# Altium PCB Dashcam BB V2.0 A.PcbDoc (part 2 of 2)
Units mm, origin at the board's own origin, x right, y up, seen from the top; angles counter-clockwise.
Board outline 37 x 25 mm, 4 copper layers (Top Layer, Internal L1, Internal L2, Bottom Layer), stack 1.542 mm thick; 284 components, 192 nets, 1111 pads, 0 vias.
Unrouted connection lines stored in the file: 658.
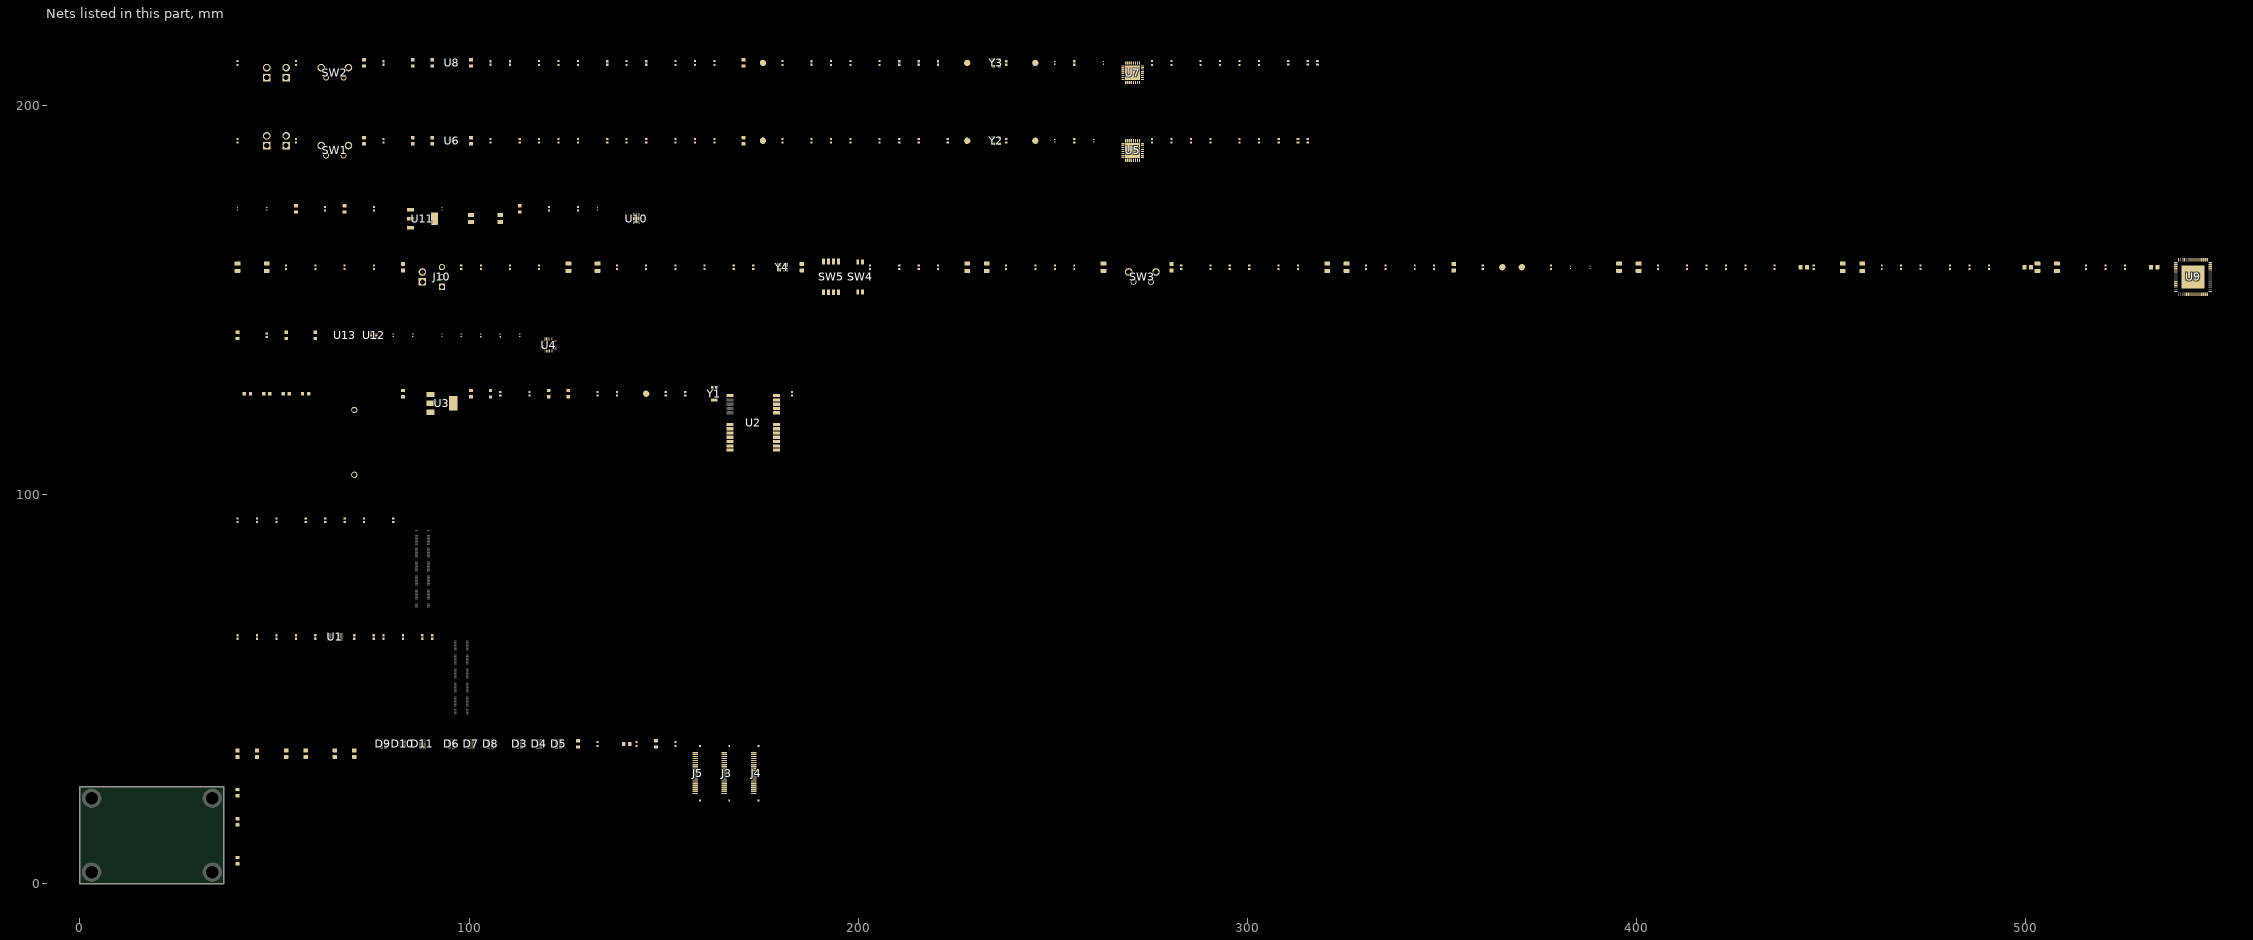
[diagram p2: the nets of this part, all layers, seen from the top]

## Part data
BH1: library part MECH_BATTERY_HOLDER_BH600, "Battery Holder 1 Cells Thermoplastic Tray", Manufacturer="Memory Protection Devices", Max Operating Temperature=180°C, Min Operating Temperature=-55°C, Supplier Part Number 1=BH600-ND, Category="Batteries and Accessories", ComponentLink1Description=https://datasheet.ciiva.com/3/bh600-datasheet-3856.pdf?src-supplier=Digikey, ComponentLink1URL=https://datasheet.ciiva.com/3/bh600-datasheet-3856.pdf?src-supplier=Digikey, Diameter=16mm, Height=3.2mm, Lead Free="Lead Free", Manufacturer Part Number=BH600, Mount="Through Hole,PCB", Number of Cells=1, Pricing 1="1=1.7, 10=1.408, 50=1.236, 100=1.1686, 300=1.06927, 500=1.02602, 1000=0.97012, 2500=0.90087, 5000=0.85178 (USD)", RoHS=Yes, RoHS Compliant=Yes, series=-, Stock 1=122929, Supplier 1=Digikey, Termination="PC Pin"
C1 C9 C11 C13: library part CAP_100NF_25V_X7R_0402, "Multilayer Ceramic Capacitor, 0.1 uF, 25 V, ± 10%, X7R, 0402 [1005 Metric]", Capacitance=100nF, Case Code (Imperial)=0402, Case Code (Metric)=1005, Dielectric=X5R, Manufacturer=Yageo, Max Operating Temperature=85°C, Min Operating Temperature=-55°C, Supplier Part Number 1=311-1697-6-ND, Temperature Coefficient=30ppm/°C, Tolerance=10%, Voltage Rating=25V, Case/Package=0402, Category="Ceramic Capacitors", ComponentLink1Description=http://www.mouser.com/ds/2/447/UPY-GPHC_X5R_4V-to-50V_25-1131599.pdf?src-supplier=Mouser, ComponentLink1URL=http://www.mouser.com/ds/2/447/UPY-GPHC_X5R_4V-to-50V_25-1131599.pdf?src-supplier=Mouser, ComponentLink2Description=https://datasheet.octopart.com/CC0402KRX5R8BB104-Yageo-datasheet-137700082.pdf?src-supplier=Future+Electronics, ComponentLink2URL=https://datasheet.octopart.com/CC0402KRX5R8BB104-Yageo-datasheet-137700082.pdf?src-supplier=Future+Electronics, ComponentLink3Description=http://www.yageo.com/documents/recent/UPY-GPHC_X5R_4V-to-50V_25.pdf?src-supplier=Digikey, ComponentLink3URL=http://www.yageo.com/documents/recent/UPY-GPHC_X5R_4V-to-50V_25.pdf?src-supplier=Digikey, ComponentLink4Description=https://datasheet.octopart.com/CC0402KRX5R8BB104-Yageo-datasheet-140260304.pdf?src-supplier=Newark, ComponentLink4URL=https://datasheet.octopart.com/CC0402KRX5R8BB104-Yageo-datasheet-140260304.pdf?src-supplier=Newark, ComponentLink5Description=https://datasheet.octopart.com/CC0402KRX5R8BB104-Yageo-datasheet-170350636.pdf?src-supplier=Future+Electronics, ComponentLink5URL=https://datasheet.octopart.com/CC0402KRX5R8BB104-Yageo-datasheet-170350636.pdf?src-supplier=Future+Electronics, ComponentLink6Description=http://www.yageo.com/documents/recent/UPY-GPHC_X5R_4V-to-50V-16.pdf?src-supplier=Future+Electronics, ComponentLink6URL=http://www.yageo.com/documents/recent/UPY-GPHC_X5R_4V-to-50V-16.pdf?src-supplier=Future+Electronics, Halogen Free=5694HalogenFree, Lead Free=5697LeadFree, Manufacturer Part Number=CC0402KRX5R8BB104, Material=4241ConductorMaterial, Mount="Surface Mount", Packaging="Tape and Reel", Pricing 1="1=0.1, 10=0.037, 50=0.021, 100=0.0162, 500=0.01224, 1000=0.00961, 2500=0.00874, 5000=0.00804 (USD)", RoHS=Yes, RoHS Compliant=Yes, series=CC, Stock 1=3706055, Supplier 1=Digikey, Voltage Rating (DC)=25V
C2 C3 C36 C61 C132: library part CAP_10UF_16V_X5R_0603, "0603 10 uF 16 V ±20% Tolerance X5R Multilayer Ceramic Chip Capacitor", Capacitance=10uF, Case Code (Imperial)=0603, Case Code (Metric)=1608, Manufacturer=Murata, Max Operating Temperature=85°C, Min Operating Temperature=-55°C, Supplier Part Number 1=490-10729-1-ND, Tolerance=20%, Voltage Rating=16V, Case/Package=0603, Category="Ceramic Capacitors", ComponentLink1Description=http://search.murata.co.jp/Ceramy/image/img/A01X/G101/ENG/GRM188R61C106MAAL-01.pdf?src-supplier=Digi-Key, ComponentLink1URL=http://search.murata.co.jp/Ceramy/image/img/A01X/G101/ENG/GRM188R61C106MAAL-01.pdf?src-supplier=Digi-Key, ComponentLink2Description=https://search.murata.co.jp/Ceramy/image/img/A01X/G101/ENG/GRM188R61C106MAAL-01.pdf?src-supplier=Digi-Key, ComponentLink2URL=https://search.murata.co.jp/Ceramy/image/img/A01X/G101/ENG/GRM188R61C106MAAL-01.pdf?src-supplier=Digi-Key, ComponentLink3Description=http://search.murata.co.jp/Ceramy/image/img/A01X/partnumbering_e_01.pdf?src-supplier=Digi-Key, ComponentLink3URL=http://search.murata.co.jp/Ceramy/image/img/A01X/partnumbering_e_01.pdf?src-supplier=Digi-Key, Height=0.8mm, Lead Free="Lead Free", Length=0.063inch, Manufacturer Part Number=GRM188R61C106MAALD, Material=Ceramic, Mount="Surface Mount", Packaging="Cut Tape", Pricing 1="1=0.24000, 10=0.16500, 50=0.11000, 100=0.09340, 500=0.06596, 1000=0.05771 (USD)", RoHS=Yes, RoHS Compliant=Yes, Stock 1=566627, Supplier 1=Digi-Key, Supplier 2=Verical, Supplier 3=Mouser, Supplier Part Number 2=GRM188R61C106MAALD, Supplier Part Number 3=81-GRM188R61C106MALD, Thickness=0.037inch, Voltage Rating (DC)=16V, Width=0.031inch
C4 C34 C35 C59 C60 C130 C131: library part CAP_1UF_16V_X5R_0603, "CAP CER 1UF 16V X5R 0603", Capacitance=1uF, Case Code (Imperial)=0603, Case Code (Metric)=1608, Dielectric=X5R, Manufacturer=Samsung, Max Operating Temperature=85°C, Min Operating Temperature=-55°C, Package Quantity=1, Supplier Part Number 1=1276-1034-1-ND, Tolerance=10%, Voltage=16V, Case/Package=0603, Category="Ceramic Capacitors", ComponentLink1Description=https://datasheet.ciiva.com/16199/cl10a105ko8nnnc-16199033.pdf?src-supplier=Future+Electronics, ComponentLink1URL=https://datasheet.ciiva.com/16199/cl10a105ko8nnnc-16199033.pdf?src-supplier=Future+Electronics, ComponentLink2Description=https://datasheet.ciiva.com/15195/getdatasheetpartid-359688-15195706.pdf?src-supplier=Verical, ComponentLink2URL=https://datasheet.ciiva.com/15195/getdatasheetpartid-359688-15195706.pdf?src-supplier=Verical, ComponentLink3Description=https://datasheet.ciiva.com/29198/458190-da-01-en-vs-kondensator-0603-29198480.pdf?src-supplier=Conrad, ComponentLink3URL=https://datasheet.ciiva.com/29198/458190-da-01-en-vs-kondensator-0603-29198480.pdf?src-supplier=Conrad, Construction=Flat, Contact Plating=Tin, Depth=0.8mm, Height=0.8mm, Lead Free="Lead Free", Length=1.6mm, Manufacturer Part Number=CL10A105KO8NNNC, Material=Ceramic, Mount="Surface Mount", Packaging="Tape and Reel", Pricing 1="1=0.10000, 10=0.03300, 50=0.01800, 100=0.01470, 500=0.01050, 1000=0.00825 (USD)", Radiation Hardening=No, RoHS=Yes, RoHS Compliant=Yes, series=CL, Stock 1=252255, Supplier 1=Digi-Key, Supplier 2=Mouser, Supplier 3=Newark, Supplier Part Number 2=187-CL10A105KO8NNNC, Supplier Part Number 3=82AC9279, Thickness=0.035inch, Voltage Rating=16V, Voltage Rating (DC)=16V, Width=0.031inch
C5 C6 C7: library part CAP_100NF_4V_X5R_0201, "SMD Comm X5R 0201 (0603Metric) ceramic capacitor 0.024Lx0.012W 0.60mmx0.30mm X5R ±10% 0.1muF", Capacitance=100nF, Case Code (Imperial)=0201, Case Code (Metric)=0603, Manufacturer=KEMET, Max Operating Temperature=85°C, Min Operating Temperature=-55°C, Supplier Part Number 1=399-14860-6-ND, Tolerance=10%, Voltage Rating=4V, Case/Package=0201, Category="Ceramic Capacitors", ComponentLink1Description=https://api.kemet.com/component-edge/download/datasheet/C0201C104K7PAC7867.pdf?src-supplier=Digikey, ComponentLink1URL=https://api.kemet.com/component-edge/download/datasheet/C0201C104K7PAC7867.pdf?src-supplier=Digikey, Manufacturer Part Number=C0201C104K7PAC7867, Mount="Surface Mount", Packaging="Cut Tape", Pricing 1="1=0.16, 10=0.111, 50=0.0662, 100=0.0521, 500=0.0385, 1000=0.03188, 2500=0.02967, 5000=0.02714 (USD)", RoHS=No, series=C, Stock 1=29615, Supplier 1=Digikey
C8 C10 C12: library part CAP_22UF_10V_X5R_0603, "Multilayer Ceramic Capacitor, 22 uF, 10 V, ± 20%, X5R, 0603 [1608 Metric]", Capacitance=22uF, Case Code (Imperial)=0603, Case Code (Metric)=1608, Dielectric=X5R, Dielectric Material=Ceramic, Manufacturer=TDK, Max Operating Temperature=85°C, Min Operating Temperature=-55°C, Package Quantity=4000, Supplier Part Number 1=445-9077-1-ND, Tolerance=20%, Voltage Rating=10V, Case/Package=0603, Category="Ceramic Capacitors", ComponentLink1Description=https://datasheet.ciiva.com/6274/tdkmlcccaprange-6274860.pdf?src-supplier=Digi-Key, ComponentLink1URL=https://datasheet.ciiva.com/6274/tdkmlcccaprange-6274860.pdf?src-supplier=Digi-Key, ComponentLink2Description=https://datasheet.ciiva.com/6274/tdkmlcccaprange-6274859.pdf?src-supplier=Digi-Key, ComponentLink2URL=https://datasheet.ciiva.com/6274/tdkmlcccaprange-6274859.pdf?src-supplier=Digi-Key, ComponentLink3Description=https://datasheet.ciiva.com/6274/tdkmlcccaprange-6274861.pdf?src-supplier=Digi-Key, ComponentLink3URL=https://datasheet.ciiva.com/6274/tdkmlcccaprange-6274861.pdf?src-supplier=Digi-Key, ComponentLink4Description=https://datasheet.ciiva.com/24216/mlcc-commercial-general-en-24216575.pdf?src-supplier=Mouser, ComponentLink4URL=https://datasheet.ciiva.com/24216/mlcc-commercial-general-en-24216575.pdf?src-supplier=Mouser, Height=0.8mm, Lead Free="Lead Free", Length=1.6mm, Manufacturer Part Number=C1608X5R1A226M080AC, Mount="Surface Mount", Packaging="Tape and Reel", Pricing 1="1=0.32, 10=0.208, 50=0.1534, 100=0.1248, 500=0.09856, 1000=0.08323 (USD)", Reach SVHC Compliant=No, RoHS=Yes, RoHS Compliant=Yes, series=C, Stock 1=1971709, Supplier 1=Digi-Key, Termination=SMD/SMT, Voltage Rating (DC)=10V, Weight=7.1E-05oz, Width=0.8mm
C14 C16 C18 C24 C28 C33 C39 C41 C43 C49 C53 C58 C68 C73 C74 C75 C76 C82 C83 C84 C85 C91 C92 C98 C99 C101 C107 C108 C114: library part CAP_10nF_50V_X7R_0402, "Multilayer Ceramic Capacitors MLCC Surface Mount 0402 0.01uF 50 Volts X7R 10%", Capacitance=10nF, Case Code (Imperial)=0402, Case Code (Metric)=1005, Dielectric=X7R, Manufacturer=Murata, Max Operating Temperature=125°C, Min Operating Temperature=-55°C, Package Quantity=1, Supplier Part Number 1=490-4516-6-ND, Tolerance=10%, Voltage=25V, Voltage Rating=50V, Case/Package=0402, Category="Ceramic Capacitors", ComponentLink1Description=https://datasheet.ciiva.com/22698/1747449-22698420.pdf?src-supplier=Element14, ComponentLink1URL=https://datasheet.ciiva.com/22698/1747449-22698420.pdf?src-supplier=Element14, ComponentLink2Description=https://datasheet.ciiva.com/19476/1856433-19476546.pdf?src-supplier=Jameco, ComponentLink2URL=https://datasheet.ciiva.com/19476/1856433-19476546.pdf?src-supplier=Jameco, ComponentLink3Description=https://datasheet.ciiva.com/129/product-129810.pdf?src-supplier=Digikey, ComponentLink3URL=https://datasheet.ciiva.com/129/product-129810.pdf?src-supplier=Digikey, ComponentLink4Description=https://datasheet.ciiva.com/11786/0900766b80ef921d-11786340.pdf?src-supplier=Rs, ComponentLink4URL=https://datasheet.ciiva.com/11786/0900766b80ef921d-11786340.pdf?src-supplier=Rs, ComponentLink5Description=https://datasheet.ciiva.com/18100/getdatasheetpartid-27434-18100660.pdf?src-supplier=Verical, ComponentLink5URL=https://datasheet.ciiva.com/18100/getdatasheetpartid-27434-18100660.pdf?src-supplier=Verical, ComponentLink6Description=https://datasheet.ciiva.com/29199/454225-da-01-en-vs-kondensator-0402-29199740.pdf?src-supplier=Conrad, ComponentLink6URL=https://datasheet.ciiva.com/29199/454225-da-01-en-vs-kondensator-0402-29199740.pdf?src-supplier=Conrad, ComponentLink7Description=https://datasheet.ciiva.com/129/grm155r71h103ka88-01-129811.pdf?src-supplier=Digikey, ComponentLink7URL=https://datasheet.ciiva.com/129/grm155r71h103ka88-01-129811.pdf?src-supplier=Digikey, ComponentLink8Description=https://datasheet.ciiva.com/129/grm155r71h103ka88-01-129812.pdf?src-supplier=Digikey, ComponentLink8URL=https://datasheet.ciiva.com/129/grm155r71h103ka88-01-129812.pdf?src-supplier=Digikey, ComponentLink9Description=https://datasheet.ciiva.com/5410/product-5410990.pdf?src-supplier=Mouser, ComponentLink9URL=https://datasheet.ciiva.com/5410/product-5410990.pdf?src-supplier=Mouser, ComponentLink10Description=https://datasheet.ciiva.com/16495/product-16495290.pdf?src-supplier=Future+Electronics, ComponentLink10URL=https://datasheet.ciiva.com/16495/product-16495290.pdf?src-supplier=Future+Electronics, Construction=Flat, Depth=0.5mm, Height=0.5mm, Lead Free=5697LeadFree, Length=1mm, Manufacturer Part Number=GRM155R71H103KA88D, Material=Ceramic, Mount="Surface Mount", Number of Pins=2, Packaging="Tape and Reel", Pricing 1="1=0.1, 10=0.023, 50=0.013, 100=0.0101, 500=0.0076, 1000=0.00598, 2500=0.00543, 5000=0.005 (USD)", Radiation Hardening=No, Reach SVHC Compliant=No, RoHS=Yes, RoHS Compliant=Yes, series=GRM, Stock 1=5190059, Supplier 1=Digikey, Termination=SMD/SMT, Thickness=0.022inch, Voltage Rating (DC)=50V, Width=0.02inch
C15 C17 C19 C38 C40 C42 C44 C63: library part CAP_1uF_6.3V_X7R_0402, "Multilayer Ceramic Capacitor, 1 uF, 6.3 V, ï¿½ 10%, X7R, 0402 [1005 Metric]", Capacitance=1uF, Case Code (Imperial)=0402, Case Code (Metric)=1005, Dielectric=X7R, Manufacturer=Samsung, Max Operating Temperature=125°C, Min Operating Temperature=-55°C, Package Quantity=1, Supplier Part Number 1=1276-1513-1-ND, Tolerance=10%, Voltage Rating=6.3V, Case/Package=0402, Category="Ceramic Capacitors", ComponentLink1Description=https://datasheet.ciiva.com/25797/cl05b105kq5nqnc-25797457.pdf?src-supplier=Digikey, ComponentLink1URL=https://datasheet.ciiva.com/25797/cl05b105kq5nqnc-25797457.pdf?src-supplier=Digikey, Depth=0.5mm, Lead Free="Lead Free", Length=0.039inch, Manufacturer Part Number=CL05B105KQ5NQNC, Material=Ceramic, Mount="Surface Mount", Packaging="Tape and Reel", Pricing 1="1=0.15, 10=0.099, 50=0.0594, 100=0.0467, 500=0.0345, 1000=0.02856, 2500=0.02658, 5000=0.02432 (USD)", RoHS=Yes, RoHS Compliant=Yes, series=CL, Stock 1=242595, Supplier 1=Digikey, Thickness=0.022inch, Width=0.02inch
C20 C45 C77 C86 C115 C122: library part CAP_0.033uF_6.3V_X5R_0201, "Multilayer Ceramic Capacitor, 0.033 uF, 6.3 V, ± 10%, X5R, 0201 [0603 Metric]", Capacitance=33nF, Case Code (Imperial)=0201, Case Code (Metric)=0603, Dielectric=X5R, Manufacturer=Murata, Max Operating Temperature=85°C, Min Operating Temperature=-55°C, Package Quantity=1, Supplier Part Number 1=81-GRM033R60J333KE01, Tolerance=10%, Voltage=6.3V, Case/Package=0201, Category="Ceramic Capacitors", ComponentLink1Description=https://datasheet.ciiva.com/131/product-131104.pdf?src-supplier=Digikey, ComponentLink1URL=https://datasheet.ciiva.com/131/product-131104.pdf?src-supplier=Digikey, ComponentLink2Description=https://datasheet.ciiva.com/18184/getdatasheetpartid-220776-18184045.pdf?src-supplier=Verical, ComponentLink2URL=https://datasheet.ciiva.com/18184/getdatasheetpartid-220776-18184045.pdf?src-supplier=Verical, ComponentLink3Description=https://datasheet.ciiva.com/29199/455665-da-01-en-vs-kondensator-0201-29199269.pdf?src-supplier=Conrad, ComponentLink3URL=https://datasheet.ciiva.com/29199/455665-da-01-en-vs-kondensator-0201-29199269.pdf?src-supplier=Conrad, ComponentLink4Description=https://datasheet.ciiva.com/11605/product-11605453.pdf?src-supplier=Avnet, ComponentLink4URL=https://datasheet.ciiva.com/11605/product-11605453.pdf?src-supplier=Avnet, ComponentLink5Description=https://datasheet.ciiva.com/16199/product-16199350.pdf?src-supplier=Future+Electronics, ComponentLink5URL=https://datasheet.ciiva.com/16199/product-16199350.pdf?src-supplier=Future+Electronics, Construction=Flat, Depth=0.3mm, Dissipation Factor=0.1%, Height=0.3mm, Lead Free="Lead Free", Length=0.6mm, Manufacturer Part Number=GRM033R60J333KE01D, Material=Ceramic, Mount="Surface Mount", Packaging="Tape and Reel", Pricing 1="1=0.1, 10=0.017, 50=0.017, 100=0.011, 1000=0.01, 10000=0.008 (USD)", Radiation Hardening=No, Reach SVHC Compliant=No, RoHS=Yes, RoHS Compliant=Yes, series=GRM, Stock 1=164761, Supplier 1=Mouser, Termination=SMD/SMT, Thickness=0.013inch, Voltage Rating=6.3V, Voltage Rating (DC)=6.3V, Width=0.012inch
C21 C46 C121 C127: library part CAP_0.015uF_6.3V_X5R_0201, "0201 15 nF 6.3 V ±10% Tolerance X5R SMT Multilayer Ceramic Capacitor", Capacitance=15nF, Case Code (Imperial)=0201, Case Code (Metric)=0603, Dielectric=X5R, Manufacturer=Murata, Max Operating Temperature=85°C, Min Operating Temperature=-55°C, Package Quantity=1, Supplier Part Number 1=81-GRM033R60J153KE1D, Tolerance=10%, Voltage Rating=6.3V, Case/Package=0201, Category="Ceramic Capacitors", ComponentLink1Description=https://datasheet.ciiva.com/130/product-130817.pdf?src-supplier=Digikey, ComponentLink1URL=https://datasheet.ciiva.com/130/product-130817.pdf?src-supplier=Digikey, ComponentLink2Description=https://datasheet.ciiva.com/18184/getdatasheetpartid-306886-18184038.pdf?src-supplier=Verical, ComponentLink2URL=https://datasheet.ciiva.com/18184/getdatasheetpartid-306886-18184038.pdf?src-supplier=Verical, ComponentLink3Description=https://datasheet.ciiva.com/29199/455637-da-01-en-vs-kondensator-0201-29199258.pdf?src-supplier=Conrad, ComponentLink3URL=https://datasheet.ciiva.com/29199/455637-da-01-en-vs-kondensator-0201-29199258.pdf?src-supplier=Conrad, ComponentLink4Description=https://datasheet.ciiva.com/130/grm033r60j153ke01-01-130818.pdf?src-supplier=Digikey, ComponentLink4URL=https://datasheet.ciiva.com/130/grm033r60j153ke01-01-130818.pdf?src-supplier=Digikey, ComponentLink5Description=https://datasheet.ciiva.com/130/grm033r60j153ke01-01-130819.pdf?src-supplier=Digikey, ComponentLink5URL=https://datasheet.ciiva.com/130/grm033r60j153ke01-01-130819.pdf?src-supplier=Digikey, ComponentLink6Description=https://datasheet.ciiva.com/11619/product-11619495.pdf?src-supplier=Avnet, ComponentLink6URL=https://datasheet.ciiva.com/11619/product-11619495.pdf?src-supplier=Avnet, Construction=Flat, Depth=0.3mm, Height=0.3mm, Lead Free="Lead Free", Length=0.6mm, Manufacturer Part Number=GRM033R60J153KE01D, Material=Ceramic, Mount="Surface Mount", Packaging="Tape and Reel", Pricing 1="1=0.1, 10=0.014, 50=0.014, 100=0.007, 1000=0.005, 10000=0.005 (USD)", Radiation Hardening=No, RoHS=Yes, RoHS Compliant=Yes, series=GRM, Stock 1=84989, Supplier 1=Mouser, Termination=SMD/SMT, Thickness=0.013inch, Voltage Rating (DC)=6.3V, Width=0.012inch
C22 C26 C31 C47 C51 C56: library part CAP_10UF_6.3V_X5R_0402, "Cap Ceramic 10uF 6.3V X5R 20% SMD 0402 85C T/R", Capacitance=10uF, Case Code (Imperial)=0402, Case Code (Metric)=1005, Dielectric=X5R, Manufacturer=Samsung, Max Operating Temperature=85°C, Min Operating Temperature=-55°C, Package Quantity=1, Supplier Part Number 1=1276-1451-1-ND, Tolerance=20%, Voltage Rating=6.3V, Case/Package=0402, Category="Ceramic Capacitors", ComponentLink1Description=https://datasheet.ciiva.com/16437/cl05a106mq5nunc-16437356.pdf?src-supplier=Future+Electronics, ComponentLink1URL=https://datasheet.ciiva.com/16437/cl05a106mq5nunc-16437356.pdf?src-supplier=Future+Electronics, ComponentLink2Description=https://datasheet.ciiva.com/26877/getdatasheetpartid-355289-26877841.pdf?src-supplier=Verical, ComponentLink2URL=https://datasheet.ciiva.com/26877/getdatasheetpartid-355289-26877841.pdf?src-supplier=Verical, Construction=Flat, Depth=0.5mm, Height=0.5mm, Length=1mm, Manufacturer Part Number=CL05A106MQ5NUNC, Mount="Surface Mount", Packaging="Tape and Reel", Pricing 1="1=0.24, 10=0.153, 50=0.0968, 100=0.0774, 500=0.05588, 1000=0.04943, 2500=0.04728, 5000=0.04299 (USD)", Radiation Hardening=No, RoHS=Yes, RoHS Compliant=Yes, series=CL, Stock 1=6097180, Supplier 1=Digikey, Thickness=0.028inch, Width=0.02inch
C23 C25 C27 C30 C32 C37 C48 C50 C52 C55 C57 C62 C67 C72 C81 C90 C97 C100 C102 C106 C109 C113 C117 C118 C124 C126: library part CAP_100NF_50V_X7R_0402, "Multilayer Ceramic Capacitor, 0.1 uF, 16 V, ± 10%, X7R, 0402 [1005 Metric]", Capacitance=100nF, Case Code (Imperial)=0402, Case Code (Metric)=1005, Dielectric=X7R, Dielectric Material=Ceramic, Manufacturer=Murata, Max Operating Temperature=125°C, Min Operating Temperature=-55°C, Package Quantity=10000, Supplier Part Number 1=490-10700-6-ND, Temperature Coefficient=30ppm/°C, Tolerance=10%, Voltage=50V, Case/Package=0402, Category="Ceramic Capacitors", ComponentLink1Description=http://www.farnell.com/datasheets/2079156.pdf?src-supplier=Farnell, ComponentLink1URL=http://www.farnell.com/datasheets/2079156.pdf?src-supplier=Farnell, ComponentLink2Description=http://www.mouser.com/ds/2/281/c02e-2905.pdf?src-supplier=Mouser, ComponentLink2URL=http://www.mouser.com/ds/2/281/c02e-2905.pdf?src-supplier=Mouser, ComponentLink3Description=http://www.farnell.com/datasheets/2079156.pdf?src-supplier=Newark, ComponentLink3URL=http://www.farnell.com/datasheets/2079156.pdf?src-supplier=Newark, ComponentLink4Description=https://datasheet.octopart.com/GRM155R71H104KE14D-Murata-datasheet-22122223.pdf?src-supplier=Future+Electronics, ComponentLink4URL=https://datasheet.octopart.com/GRM155R71H104KE14D-Murata-datasheet-22122223.pdf?src-supplier=Future+Electronics, ComponentLink5Description=https://search.murata.co.jp/Ceramy/image/img/A01X/G101/ENG/GRM155R71H104KE14-01.pdf?src-supplier=Digi-Key, ComponentLink5URL=https://search.murata.co.jp/Ceramy/image/img/A01X/G101/ENG/GRM155R71H104KE14-01.pdf?src-supplier=Digi-Key, ComponentLink6Description=http://psearch.en.murata.com/capacitor/product/GRM155R71H104KE14%23.pdf?src-supplier=Avnet, ComponentLink6URL=http://psearch.en.murata.com/capacitor/product/GRM155R71H104KE14%23.pdf?src-supplier=Avnet, ComponentLink7Description=https://datasheet.octopart.com/GRM155R71H104KE14D-Murata-datasheet-66077078.pdf?src-supplier=Element14, ComponentLink7URL=https://datasheet.octopart.com/GRM155R71H104KE14D-Murata-datasheet-66077078.pdf?src-supplier=Element14, ComponentLink8Description=http://www.mouser.com/ds/2/447/UPY-GPHC_X5R_4V-to-50V_25-1131599.pdf?src-supplier=Mouser, ComponentLink8URL=http://www.mouser.com/ds/2/447/UPY-GPHC_X5R_4V-to-50V_25-1131599.pdf?src-supplier=Mouser, ComponentLink9Description=https://datasheet.octopart.com/CC0402KRX5R8BB104-Yageo-datasheet-137700082.pdf?src-supplier=Future+Electronics, ComponentLink9URL=https://datasheet.octopart.com/CC0402KRX5R8BB104-Yageo-datasheet-137700082.pdf?src-supplier=Future+Electronics, ComponentLink10Description=http://www.yageo.com/documents/recent/UPY-GPHC_X5R_4V-to-50V_25.pdf?src-supplier=Digikey, ComponentLink10URL=http://www.yageo.com/documents/recent/UPY-GPHC_X5R_4V-to-50V_25.pdf?src-supplier=Digikey, ComponentLink11Description=https://datasheet.octopart.com/CC0402KRX5R8BB104-Yageo-datasheet-140260304.pdf?src-supplier=Newark, ComponentLink11URL=https://datasheet.octopart.com/CC0402KRX5R8BB104-Yageo-datasheet-140260304.pdf?src-supplier=Newark, ComponentLink12Description=https://datasheet.octopart.com/CC0402KRX5R8BB104-Yageo-datasheet-170350636.pdf?src-supplier=Future+Electronics, ComponentLink12URL=https://datasheet.octopart.com/CC0402KRX5R8BB104-Yageo-datasheet-170350636.pdf?src-supplier=Future+Electronics, ComponentLink13Description=http://www.yageo.com/documents/recent/UPY-GPHC_X5R_4V-to-50V-16.pdf?src-supplier=Future+Electronics, ComponentLink13URL=http://www.yageo.com/documents/recent/UPY-GPHC_X5R_4V-to-50V-16.pdf?src-supplier=Future+Electronics, Construction=Flat, Depth=0.5mm, Dissipation Factor=0.025%, Halogen Free=5694HalogenFree, Height=0.5mm, Lead Free=5697LeadFree, Length=1mm, Manufacturer Part Number=GRM155R71H104KE14D, Material=Ceramic, Mount="Surface Mount", Number of Pins=2NUMBER, Packaging="Tape and Reel", Pricing 1="1=0.1, 10=0.023, 50=0.0132, 100=0.0102, 500=0.00768, 1000=0.00603, 2500=0.00548, 5000=0.00504 (USD)", Pricing 2="1=0.1, 10=0.037, 50=0.021, 100=0.0162, 500=0.01224, 1000=0.00961, 2500=0.00874, 5000=0.00804 (USD)", Reach SVHC Compliant=No, RoHS=Yes, RoHS Compliant=Yes, series=GRM, Stock 1=13730790, Stock 2=3706055, Supplier 1=DigiKey, Supplier 2=Digikey, Supplier Part Number 2=311-1697-1-ND, Termination=SMD/SMT, Thickness=0.022inch, Voltage Rating=50V, Voltage Rating (DC)=50V, Weight=0.000212oz, Width=0.5mm
C29 C54: library part CAP_22nF_16V_X7R_0603, "Multilayer Ceramic Capacitor, 0.022 uF, 16 V, ± 10%, X7R, 0603 [1608 Metric]", Capacitance=22nF, Case Code (Imperial)=0603, Case Code (Metric)=1608, Dielectric=X7R, Manufacturer=KEMET, Max Operating Temperature=125°C, Min Operating Temperature=-55°C, Package Quantity=1, Supplier Part Number 1=399-C0603C223K4RAC7867CT-ND, Tolerance=10%, Voltage Rating=16V, Case/Package=0603, Category="Ceramic Capacitors", ComponentLink1Description=https://datasheet.ciiva.com/49516/1636924-49516646.pdf?src-supplier=Jameco, ComponentLink1URL=https://datasheet.ciiva.com/49516/1636924-49516646.pdf?src-supplier=Jameco, ComponentLink2Description=https://datasheet.ciiva.com/26847/getdatasheetpartid-724406-26847612.pdf?src-supplier=Verical, ComponentLink2URL=https://datasheet.ciiva.com/26847/getdatasheetpartid-724406-26847612.pdf?src-supplier=Verical, ComponentLink3Description=https://datasheet.ciiva.com/14599/70095383-14599397.pdf?src-supplier=Allied+Electronics, ComponentLink3URL=https://datasheet.ciiva.com/14599/70095383-14599397.pdf?src-supplier=Allied+Electronics, ComponentLink4Description=https://datasheet.ciiva.com/14601/70095383-14601245.pdf?src-supplier=Allied+Electronics, ComponentLink4URL=https://datasheet.ciiva.com/14601/70095383-14601245.pdf?src-supplier=Allied+Electronics, Construction=Flat, Depth=0.8mm, Height=0.8mm, Length=1.6mm, Manufacturer Part Number=C0603C223K4RACTU, Mount="Surface Mount", Packaging="Tape and Reel", Pricing 1="1=0.1, 10=0.053, 50=0.0304, 100=0.0235, 500=0.01768, 1000=0.01389 (USD)", Radiation Hardening=No, Reach SVHC Compliant=No, RoHS=Yes, RoHS Compliant=Yes, series=C, Stock 1=159667, Supplier 1=Digikey, Termination=SMD/SMT, Thickness=0.034inch, Voltage Rating (DC)=16V, Weight=7.1E-05oz, Width=0.031inch
C64 C65 C69 C70 C78 C79 C87 C88 C93 C94 C95 C103 C104 C110 C111: library part CAP_10UF_25V_X5R_0805, "CAP CER 10UF 25V X5R 0805", Capacitance=10uF, Case Code (Imperial)=0805, Case Code (Metric)=2012, Dielectric=X5R, Manufacturer=Samsung, Max Operating Temperature=85°C, Min Operating Temperature=-55°C, Package Quantity=1, Supplier Part Number 1=1276-2891-6-ND, Tolerance=10%, Voltage Rating=25V, Case/Package=0805, Category="Ceramic Capacitors", ComponentLink1Description=https://datasheet.ciiva.com/25796/cl21a106kaynnne-25796720.pdf?src-supplier=Digi-Key, ComponentLink1URL=https://datasheet.ciiva.com/25796/cl21a106kaynnne-25796720.pdf?src-supplier=Digi-Key, ComponentLink2Description=https://datasheet.ciiva.com/26838/getdatasheetpartid-357558-26838583.pdf?src-supplier=Verical, ComponentLink2URL=https://datasheet.ciiva.com/26838/getdatasheetpartid-357558-26838583.pdf?src-supplier=Verical, Construction=Flat, Depth=1.25mm, Height=1.25mm, Length=2mm, Manufacturer Part Number=CL21A106KAYNNNE, Mount="Surface Mount", Packaging="Tape and Reel", Pricing 1="1=0.18000, 10=0.12800, 50=0.07280, 100=0.06030, 500=0.04230, 1000=0.03501 (USD)", Radiation Hardening=No, RoHS=Yes, RoHS Compliant=Yes, series=CL, Stock 1=1531231, Supplier 1=Digi-Key, Supplier 2=Newark, Supplier 3=Mouser, Supplier Part Number 2=82AC9388, Supplier Part Number 3=187-CL21A106KAYNNNE, Thickness=0.057inch, Width=0.049inch
C66 C71 C80 C89 C96 C105 C112: library part CAP_1uF_35V_JB_0402, "Cap Ceramic 1uF 35V JB 10% SMD 0402 85°C Punched Paper T/R", Capacitance=1uF, Case Code (Imperial)=0402, Case Code (Metric)=1005, Dielectric Material=Ceramic, Manufacturer=TDK, Max Operating Temperature=85°C, Min Operating Temperature=-25°C, Package Quantity=10000, Supplier Part Number 1=445-11014-1-ND, Tolerance=10%, Voltage Rating=35V, Case/Package=0402, Category="Ceramic Capacitors", ComponentLink1Description=https://datasheet.ciiva.com/14885/tdkmlcccaprange-14885800.pdf?src-supplier=Digikey, ComponentLink1URL=https://datasheet.ciiva.com/14885/tdkmlcccaprange-14885800.pdf?src-supplier=Digikey, ComponentLink2Description=https://datasheet.ciiva.com/14885/tdkmlcccaprange-14885801.pdf?src-supplier=Digikey, ComponentLink2URL=https://datasheet.ciiva.com/14885/tdkmlcccaprange-14885801.pdf?src-supplier=Digikey, ComponentLink3Description=https://datasheet.ciiva.com/14885/tdkmlcccaprange-14885802.pdf?src-supplier=Digikey, ComponentLink3URL=https://datasheet.ciiva.com/14885/tdkmlcccaprange-14885802.pdf?src-supplier=Digikey, Height=550um, Lead Free="Lead Free", Length=0.039inch, Manufacturer Part Number=C1005JB1V105K050BC, Material=4241ConductorMaterial, Mount="Surface Mount", Packaging="Tape and Reel", Pricing 1="1=0.17, 10=0.095, 50=0.0662, 100=0.0574, 500=0.04248, 1000=0.03785, 2500=0.03294, 5000=0.02996 (USD)", RoHS=Yes, RoHS Compliant=Yes, series=C, Stock 1=17379, Supplier 1=Digikey, Termination=SMD/SMT, Thickness=0.022inch, Voltage Rating (DC)=35V, Weight=0.001199oz, Width=0.02inch
C116 C123 C125: library part CAP_22UF_16V_X5R_0603, "Cap Ceramic 22uF 16V X5R 20% Pad SMD 0603 85C T/R", Capacitance=22uF, Case Code (Imperial)=0603, Case Code (Metric)=1608, Manufacturer=Samsung, Max Operating Temperature=85°C, Min Operating Temperature=-55°C, Supplier Part Number 1=1276-7076-1-ND, Tolerance=20%, Voltage Rating=16V, Case/Package=0603, Category="Ceramic Capacitors", ComponentLink1Description=http://www.samsungsem.com/kr/support/product-search/mlcc/CL10A226MO7JZNC.jsp?src-supplier=Digi-Key, ComponentLink1URL=http://www.samsungsem.com/kr/support/product-search/mlcc/CL10A226MO7JZNC.jsp?src-supplier=Digi-Key, ComponentLink2Description=https://datasheet.octopart.com/CL10A226MO7JZNC-Samsung-Electro-Mechanics-datasheet-149156497.pdf?src-supplier=Future+Electronics, ComponentLink2URL=https://datasheet.octopart.com/CL10A226MO7JZNC-Samsung-Electro-Mechanics-datasheet-149156497.pdf?src-supplier=Future+Electronics, Manufacturer Part Number=CL10A226MO7JZNC, Mount="Surface Mount", Packaging="Cut Tape", Pricing 1="1=0.59, 10=0.419, 50=0.3164, 100=0.2756, 500=0.20418, 1000=0.17355 (USD)", RoHS=Yes, RoHS Compliant=Yes, series=CL, Stock 1=1760065, Supplier 1=Digi-Key
C119 C120: library part CAP_47UF_10V_X5R_0805, "Multilayer Ceramic Capacitor, 47 uF, 10 V, ± 20%, X5R, 0805 [2012 Metric]", Capacitance=47uF, Case Code (Imperial)=0805, Case Code (Metric)=2012, Dielectric=X5R, Dielectric Material=Ceramic, Manufacturer=TDK, Max Operating Temperature=85°C, Min Operating Temperature=-55°C, Package Quantity=1, Supplier Part Number 1=445-8239-6-ND, Tolerance=20%, Voltage=10V, Case/Package=0805, Category="Ceramic Capacitors", ComponentLink1Description=https://datasheet.ciiva.com/24216/c2012x5r1a476m125ac-264921-24216523.pdf?src-supplier=Mouser, ComponentLink1URL=https://datasheet.ciiva.com/24216/c2012x5r1a476m125ac-264921-24216523.pdf?src-supplier=Mouser, ComponentLink2Description=https://datasheet.ciiva.com/24191/c2012x5r1a476m125ac-24191773.pdf?src-supplier=Future+Electronics, ComponentLink2URL=https://datasheet.ciiva.com/24191/c2012x5r1a476m125ac-24191773.pdf?src-supplier=Future+Electronics, ComponentLink3Description=https://datasheet.ciiva.com/7975/1796654-7975085.pdf?src-supplier=Element14, ComponentLink3URL=https://datasheet.ciiva.com/7975/1796654-7975085.pdf?src-supplier=Element14, ComponentLink4Description=https://datasheet.ciiva.com/22694/1796654-22694142.pdf?src-supplier=Element14, ComponentLink4URL=https://datasheet.ciiva.com/22694/1796654-22694142.pdf?src-supplier=Element14, ComponentLink5Description=https://datasheet.ciiva.com/6259/tdkmlcccaprange-6259576.pdf?src-supplier=Digikey, ComponentLink5URL=https://datasheet.ciiva.com/6259/tdkmlcccaprange-6259576.pdf?src-supplier=Digikey, ComponentLink6Description=https://datasheet.ciiva.com/6259/tdkmlcccaprange-6259575.pdf?src-supplier=Digikey, ComponentLink6URL=https://datasheet.ciiva.com/6259/tdkmlcccaprange-6259575.pdf?src-supplier=Digikey, ComponentLink7Description=https://datasheet.ciiva.com/6259/tdkmlcccaprange-6259577.pdf?src-supplier=Digikey, ComponentLink7URL=https://datasheet.ciiva.com/6259/tdkmlcccaprange-6259577.pdf?src-supplier=Digikey, Depth=1.25mm, Height=1.25mm, Lead Free="Lead Free", Length=2mm, Manufacturer Part Number=C2012X5R1A476M125AC, Material=4241ConductorMaterial, Mount="Surface Mount", Packaging="Tape and Reel", Pricing 1="1=0.79, 10=0.572, 50=0.5006, 100=0.4079, 500=0.33372, 1000=0.28737 (USD)", Reach SVHC Compliant=No, RoHS=Yes, RoHS Compliant=Yes, series=C, Stock 1=476295, Supplier 1=Digikey, Termination=SMD/SMT, Thickness=0.057inch, Voltage Rating=10V, Voltage Rating (DC)=10V, Weight=0.000194oz, Width=0.049inch
C128 C129: library part CAP_1UF_6.3V_X5R_0201, "0201 1 uF 6.3 V ±20 % Tolerance X5R Surface Mount Multilayer Ceramic Capacitor", Capacitance=1uF, Case Code (Imperial)=0201, Case Code (Metric)=0603, Dielectric=X5R, Manufacturer="Kyocera AVX", Max Operating Temperature=85°C, Min Operating Temperature=-55°C, Package Quantity=1, Supplier Part Number 1=581-02016D105MAT2A, Tolerance=20%, Voltage Rating=6.3V, Case/Package=0201, Category="Ceramic Capacitors", ComponentLink1Description=https://datasheet.ciiva.com/6265/cx5r-6265595.pdf?src-supplier=Digi-Key, ComponentLink1URL=https://datasheet.ciiva.com/6265/cx5r-6265595.pdf?src-supplier=Digi-Key, ComponentLink2Description=https://datasheet.ciiva.com/1123/1666675-1123122.pdf?src-supplier=Element14, ComponentLink2URL=https://datasheet.ciiva.com/1123/1666675-1123122.pdf?src-supplier=Element14, ComponentLink3Description=https://datasheet.ciiva.com/14891/cx5r-14891029.pdf?src-supplier=Digi-Key, ComponentLink3URL=https://datasheet.ciiva.com/14891/cx5r-14891029.pdf?src-supplier=Digi-Key, ComponentLink4Description=https://datasheet.ciiva.com/7614/cx5r-7614682.pdf?src-supplier=Digi-Key, ComponentLink4URL=https://datasheet.ciiva.com/7614/cx5r-7614682.pdf?src-supplier=Digi-Key, ComponentLink5Description=https://datasheet.ciiva.com/14891/cx5r-14891030.pdf?src-supplier=Digi-Key, ComponentLink5URL=https://datasheet.ciiva.com/14891/cx5r-14891030.pdf?src-supplier=Digi-Key, Depth=0.3mm, Lead Free="Lead Free", Length=0.024inch, Manufacturer Part Number=02016D105MAT2A, Mount="Surface Mount", Number of Pins=2, Packaging="Cut Tape", Pricing 1="1=0.1, 10=0.028, 50=0.028, 100=0.014, 1000=0.008, 10000=0.006 (USD)", Reach SVHC Compliant=No, RoHS=Yes, RoHS Compliant=Yes, series=-, Stock 1=1026413, Supplier 1=Mouser, Thickness=0.013inch, Voltage Rating (DC)=6.3V, Width=0.012inch
D1: library part LED_DIO_BLUE_20mA_0603_ASCKCB00-NS3T4010302, "LED Single Chip Blue 467nm 20mA 2-Pin DFN T/R", Case/Packcage=0603, Manufacturer=Broadcom, Supplier Part Number 1=516-ASCKCB00-NS3T4010302CT-ND, Test Current=20mA, Category=LEDs, Manufacturer Part Number=ASCKCB00-NS3T4010302, Pricing 1="1=0.53, 10=0.327, 100=0.1882, 1000=0.14726, 2000=0.13499 (USD)", RoHS=No, Stock 1=59526, Supplier 1=Digikey
D2: library part LED_DIO_RED_20mA_0603, "LED,  LTST-C190KRKT", Case Code (Imperial)=0603, Case Code (Metric)=1608, Color=Red, Forward Current=30mA, Forward Voltage=2.4V, Lens Color=Colorless, Manufacturer="Vishay Lite-On", Max Operating Temperature=85°C, Min Operating Temperature=-55°C, Package Quantity=1, Power Dissipation=75mW, Reverse Voltage=5V, Supplier Part Number 1=160-1436-6-ND, Test Current=20mA, Case/Package=0603, Category=LEDs, ComponentLink1Description=https://datasheet.ciiva.com/19482/1260381-19482354.pdf?src-supplier=Jameco, ComponentLink1URL=https://datasheet.ciiva.com/19482/1260381-19482354.pdf?src-supplier=Jameco, ComponentLink2Description=https://datasheet.ciiva.com/12403/100-ltst-c190krkt-59805-12403895.pdf?src-supplier=Mouser, ComponentLink2URL=https://datasheet.ciiva.com/12403/100-ltst-c190krkt-59805-12403895.pdf?src-supplier=Mouser, ComponentLink3Description=https://datasheet.ciiva.com/16427/ltst-c190krkt-16427674.pdf?src-supplier=Future+Electronics, ComponentLink3URL=https://datasheet.ciiva.com/16427/ltst-c190krkt-16427674.pdf?src-supplier=Future+Electronics, ComponentLink4Description=https://datasheet.ciiva.com/15117/getdatasheetpartid-57395-15117240.pdf?src-supplier=Verical, ComponentLink4URL=https://datasheet.ciiva.com/15117/getdatasheetpartid-57395-15117240.pdf?src-supplier=Verical, ComponentLink5Description=https://datasheet.ciiva.com/11774/0900766b80dc02a9-11774043.pdf?src-supplier=Rs, ComponentLink5URL=https://datasheet.ciiva.com/11774/0900766b80dc02a9-11774043.pdf?src-supplier=Rs, ComponentLink6Description=https://datasheet.ciiva.com/2109/s-110-ltst-c190krkt-2109992.pdf?src-supplier=Digi-Key, ComponentLink6URL=https://datasheet.ciiva.com/2109/s-110-ltst-c190krkt-2109992.pdf?src-supplier=Digi-Key, ComponentLink7Description=https://datasheet.ciiva.com/2109/s-110-ltst-c190krkt-2109991.pdf?src-supplier=Digi-Key, ComponentLink7URL=https://datasheet.ciiva.com/2109/s-110-ltst-c190krkt-2109991.pdf?src-supplier=Digi-Key, ComponentLink8Description=https://datasheet.ciiva.com/2109/s-110-ltst-c190krkt-2109993.pdf?src-supplier=Digi-Key, ComponentLink8URL=https://datasheet.ciiva.com/2109/s-110-ltst-c190krkt-2109993.pdf?src-supplier=Digi-Key, ComponentLink9Description=https://datasheet.ciiva.com/26937/getdatasheetpartid-631582-26937958.pdf?src-supplier=Verical, ComponentLink9URL=https://datasheet.ciiva.com/26937/getdatasheetpartid-631582-26937958.pdf?src-supplier=Verical, Depth=0.8mm, Dominant Wavelength=631nm, Height=0.8mm, Illumination Color=Red, Lead Free="Lead Free", Length=1.6mm, Lens Style=Diffused,Colorless,Clear,Rectangular, Lens Transparency=Clear, Luminous Intensity=54mcd, Manufacturer Part Number=LTST-C190KRKT, Mount="Surface Mount", Number of Elements=1, Number of LEDs=1, Number of Pins=2, Packaging="Tape and Reel", Power Rating=75mW, Pricing 1="1=0.24000, 10=0.13200, 100=0.06110, 500=0.05640, 1000=0.04418, 2000=0.04324 (USD)", Radiation Hardening=No, RoHS=Yes, RoHS Compliant=Yes, Stock 1=712361, Supplier 1=Digi-Key, Supplier 2=Mouser, Supplier 3="Arrow Electronics", Supplier Part Number 2=859-LTST-C190KRKT, Supplier Part Number 3=LTST-C190KRKT, Viewing Angle=130°, Wavelength=639nm, Width=0.8mm
D3 D4 D5 D6 D7 D8 D9 D10 D11: library part DIO_TVS_4CH_4V_IP4292CZ10-TBR,115, "IP4292CZ10 Series 4 Channel 4 V 0.55 pF ESD Protected TVS Diode - DFN2510A-10", Manufacturer=Nexperia, Supplier Part Number 1=1727-1219-1-ND, Category="ESD and Circuit Protection ICs", ComponentLink1Description=https://assets.nexperia.com/documents/data-sheet/IP4292CZ10-TBR.pdf?src-supplier=Digikey, ComponentLink1URL=https://assets.nexperia.com/documents/data-sheet/IP4292CZ10-TBR.pdf?src-supplier=Digikey, Manufacturer Part Number=IP4292CZ10-TBR,115, Pricing 1="1=0.51, 10=0.398, 100=0.2386, 500=0.22096, 1000=0.15025, 2000=0.13833 (USD)", RoHS=Yes, RoHS Compliant=Yes, Stock 1=24808, Supplier 1=Digikey